# Altium PCB WAB_1x4_PCB.PcbDoc (part 5 of 5)
Units mil, origin at the board's own origin, x right, y up, seen from the top; angles counter-clockwise.
Board outline 13210.03 x 3810.03 mil, 12 copper layers (Top Layer, Ground Plane 1 (GND), Inner Layer 1, Ground Plane 2 (GND), Inner Layer 2, Power Plane (+3.3V), Power Plane (+12V), Inner Layer 3, Ground Plane 3 (GND), Inner Layer 4, Ground Plane 4 (GND), Bottom Layer), stack 82.8 mil thick; 113 components, 354 nets, 1682 pads, 1796 vias.
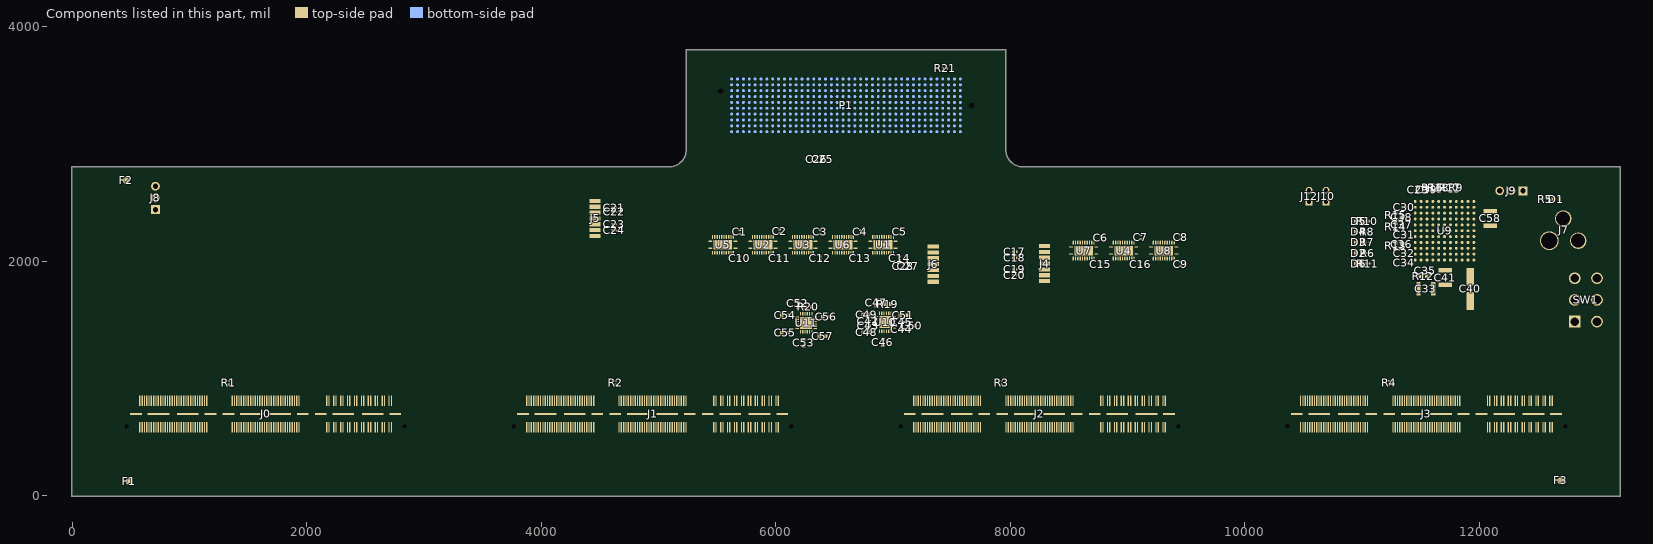
[diagram p15: the components of this part, seen from the top]

## Via types
v1: diameter 20, hole 10, Top Layer to Bottom Layer, tented both sides, 1766 vias
v2: diameter 250, hole 125, Top Layer to Bottom Layer, 20 vias
v3: diameter 57.09, hole 53.15, Top Layer to Bottom Layer, 6 vias
v4: diameter 20, hole 10, Top Layer to Bottom Layer, tented bottom, 2 vias
v5: diameter 140, hole 106.3, Top Layer to Bottom Layer, 2 vias

## Nets (pads, with @x,y where several pads share a name; then routed paths per layer and width w, separated by ;. In a path a pad name is that pad's centre, name@x,y a point inside that pad or via, vN(x,y) a via of type N, cw(c..) or ccw(c..) an arc to the next point about the centre after c; other vN are vias at no path point) (continued)
copper on no net:
  other v1: 7550.87,434 7590.87,434 10850.87,434 10890.87,434 5451.65,472.65 5491.65,472.65 8751.65,472.65 8791.65,472.65 12051.65,472.65 12091.65,472.65 7550.87,474 7590.87,474 10850.87,474 10890.87,474 5451.65,512.65 5491.65,512.65 8751.65,512.65 8791.65,512.65 12051.65,512.65 12091.65,512.65 5451.65,883.35 5491.65,883.35 8751.65,883.35 8791.65,883.35 12051.65,883.35 12091.65,883.35 5451.65,923.35 5491.65,923.35 8751.65,923.35 8791.65,923.35 12051.65,923.35 12091.65,923.35 8774.13,2090.83 9115.56,2090.83 9456.99,2090.83 5881.59,2398.35 6650,3579.53
  other v2: 250,135 3050,135 3550,135 6350,135 6850,135 9650,135 10150,135 12950,135 250,698 3050,698 3550,698 6350,698 6850,698 9650,698 10150,698 12950,698 250,2600 3550,2600 9650,2600 12950,2600
  other v3: 7305,1728.15 8255,1733.15 4420,2118.15 7344.37,2233.27 8294.37,2238.27 4459.37,2623.27
  other v5: 5359.57,3370.87 7839.89,3370.87

## Polygon pours and split planes (outlines as drawn)
GND on Top Layer "Top Solder-No Net" (solid, remove dead copper, pour order 64): 15,2785 15,15 13185,15 13185,2785 8100,2785 8040,2785 8000,2825 7940,2885 7940,2950 7940,3785 5260,3785 5260,2940 5260,2885 5200,2825 5160,2785 5100,2785
VADJ on Top Layer "Top Solder-No Net" (solid, pour order 50): 5638.57,2155 5718.57,2155 5718.57,2245 5683.57,2245 5640,2220 5638.57,2200
3P3V on Top Layer "Top Solder-No Net" (solid, pour order 61): 6790,1570 6790,1645 6890,1645 6890,1605 6905,1605 6910,1600 6915,1595 6915,1580 6875,1580 6870,1575 6870,1570
GND on Top Layer "Top Solder-No Net" (solid, pour order 38): 450,750 450,650 2850,650 2850,750
VADJ on Top Layer "Top Solder-No Net" (solid, pour order 34): 827.22,905 860,905 855,880 860,850 825,850 830,880 825.44,902.82
VCC_12P0_CARD on Top Layer "Top Solder-No Net" (solid, pour order 33): 12020,2395 12045,2370 12045,2365 12165,2365 12225,2305 12225,1865 12225,1785 12635,1375 12915,1375 12915,1585 12715,1585 12450,1850 12450,2550 12325,2550 12325,2650 12225,2650 12020,2650
VADJ on Top Layer "Top Solder-No Net" (solid, pour order 35): 4130,905 4160,905 4155,880 4160,850 4125,850 4130,880 4125.98,900.1
GND on Top Layer "Top Solder-No Net" (solid, pour order 39): 3750,750 3750,650 6150,650 6150,750
VADJ on Top Layer "Top Solder-No Net" (solid, pour order 36): 7430,905 7460,905 7455,880 7460,850 7425,850 7430,880 7425.98,900.1
GND on Top Layer "Top Solder-No Net" (solid, pour order 40): 7050,750 7050,650 9450,650 9450,750
VADJ on Top Layer "Top Solder-No Net" (solid, pour order 37): 10730,905 10760,905 10755,880 10760,850 10725,850 10730,880 10725.98,900.1
GND on Top Layer "Top Solder-No Net" (solid, pour order 41): 10350,750 10350,650 12750,650 12750,750
VCC_3P3_CARD on Top Layer "Top Solder-No Net" (solid, pour order 49): 6315,2030 6315,2120 6400,2120 6400,2030
VADJ on Top Layer "Top Solder-No Net" (solid, pour order 57): 6320,2160 6400,2160 6400,2250 6365,2250 6320,2225 6320,2205
VADJ on Top Layer "Top Solder-No Net" (solid, pour order 56): 6661.43,2160 6741.43,2160 6741.43,2250 6706.43,2250 6665,2225 6661.43,2205
VCC_3P3_CARD on Top Layer "Top Solder-No Net" (solid, pour order 48): 6656.43,2030 6656.43,2120 6741.43,2120 6741.43,2030
VADJ on Top Layer "Top Solder-No Net" (solid, pour order 55): 7002.86,2160 7082.86,2160 7082.86,2250 7047.86,2250 7027.86,2230 7002.86,2205 7002.86,2160
VCC_3P3_CARD on Top Layer "Top Solder-No Net" (solid, pour order 47): 6997.86,2030 6997.86,2120 7082.86,2120 7082.86,2030
VADJ on Top Layer "Top Solder-No Net" (solid, pour order 54): 8714.13,2110.83 8794.13,2110.83 8794.13,2200.83 8759.13,2200.83 8714.13,2175 8714.13,2155.83
VCC_3P3_CARD on Top Layer "Top Solder-No Net" (solid, pour order 46): 8709.13,1980.83 8709.13,2070.83 8794.13,2070.83 8794.13,1980.83
VADJ on Top Layer "Top Solder-No Net" (solid, pour order 53): 9055.56,2110.83 9135.56,2110.83 9135.56,2200.83 9100.56,2200.83 9055.56,2175 9055.56,2155.83
VCC_3P3_CARD on Top Layer "Top Solder-No Net" (solid, pour order 45): 9050.56,1980.83 9050.56,2070.83 9135.56,2070.83 9135.56,1980.83
VADJ on Top Layer "Top Solder-No Net" (solid, pour order 52): 9396.99,2110.83 9476.99,2110.83 9476.99,2200.83 9441.99,2200.83 9400,2175 9396.99,2155.83
VCC_3P3_CARD on Top Layer "Top Solder-No Net" (solid, pour order 44): 9391.99,1980.83 9391.99,2070.83 9476.99,2070.83 9476.99,1980.83
VADJ on Top Layer "Top Solder-No Net" (solid, pour order 51): 5978.57,2160 6058.57,2160 6058.57,2250 6023.57,2250 5980,2225 5978.57,2205
VCC_3P3_CARD on Top Layer "Top Solder-No Net" (solid, pour order 43): 5973.57,2030 5973.57,2120 6058.57,2120 6058.57,2030
VCC_3P3_CARD on Top Layer "Top Solder-No Net" (solid, pour order 42): 5632.14,2030 5632.14,2120 5717.14,2120 5717.14,2030
3P3V on Top Layer "Top Solder-No Net" (solid, pour order 60): 6080,1565 6080,1640 6215,1640 6215,1600 6230,1600 6235,1595 6240,1582.93 6238.99,1580.48 6233.51,1575 6200,1575 6195,1570 6195,1565
VCC_12P0_IN on Top Layer "Top Solder-No Net" (solid, pour order 59): 12465,2350 12465,1855 12485,1835 12720,1600 12900,1600 12900,1775 12800,1775 12730,1845 12725,1850 12725,2350
3P3V on Bottom Layer "Top Solder-No Net" (solid, pour order 62): 6210,1315 6092.49,1534.84 6080,1565 6080,1640 6230,1640 6270,1600 6270,1315
VCC_12P0_IN on Bottom Layer "Top Solder-No Net" (solid, pour order 58): 12465,2350 12465,1855 12485,1835 12755,1565 12900,1565 12900,1775 12800,1775 12730,1845 12725,1850 12725,2350
GND on Bottom Layer "Top Solder-No Net" (solid, remove dead copper, pour order 63): 15,2785 15,15 13185,15 13185,2785 8100,2785 8040,2785 8000,2825 7940,2885 7940,2950 7940,3785 5260,3785 5260,2940 5260,2885 5200,2825 5160,2785 5100,2785
GND on Ground Plane 1 (GND) (split plane): 7942.92,2950 7942.93,2949.87 7943.28,2939.2 7944.34,2928.45 7946.1,2917.8 7948.55,2907.28 7951.69,2896.94 7955.49,2886.83 7959.95,2876.99 7965.04,2867.46 7970.75,2858.29 7977.04,2849.51 7983.89,2841.16 7991.28,2833.28 7999.16,2825.89 8007.51,2819.04 8016.29,2812.75 8025.46,2807.04 8034.99,2801.95 8044.83,2797.49 8054.94,2793.69 8065.28,2790.55 8075.8,2788.1 8086.45,2786.34 8097.2,2785.28 8107.79,2784.93 8107.77,2783.77 8108,2783.67 8108,2784.92 8107.87,2784.93 8107.97,2784.93 8108,2784.93 8108,2784.92 8108.03,2784.92 8108.07,2784.92 13184.92,2784.92 13184.92,15.08 15.08,15.08 15.08,2784.92 5092,2784.92 5092.13,2784.93 5102.8,2785.28 5113.55,2786.34 5124.2,2788.1 5134.72,2790.55 5145.06,2793.69 5155.17,2797.49 5165.01,2801.95 5174.54,2807.04 5183.71,2812.75 5192.49,2819.04 5200.84,2825.89 5208.72,2833.28 5216.11,2841.16 5222.96,2849.51 5229.25,2858.29 5234.96,2867.46 5240.05,2876.99 5244.51,2886.83 5248.31,2896.94 5251.45,2907.28 5253.9,2917.8 5255.66,2928.45 5256.72,2939.2 5257.07,2949.79 5258.23,2949.77 5258.33,2950 5257.08,2950 5257.07,2949.87 5257.07,2949.97 5257.07,2950 5257.08,2950 5257.08,2950.03 5257.08,2950.07 5257.08,3784.92 7942.92,3784.92
GND on Ground Plane 2 (GND) (split plane): 7942.92,2950 7942.93,2949.87 7943.28,2939.2 7944.34,2928.45 7946.1,2917.8 7948.55,2907.28 7951.69,2896.94 7955.49,2886.83 7959.95,2876.99 7965.04,2867.46 7970.75,2858.29 7977.04,2849.51 7983.89,2841.16 7991.28,2833.28 7999.16,2825.89 8007.51,2819.04 8016.29,2812.75 8025.46,2807.04 8034.99,2801.95 8044.83,2797.49 8054.94,2793.69 8065.28,2790.55 8075.8,2788.1 8086.45,2786.34 8097.2,2785.28 8107.79,2784.93 8107.77,2783.77 8108,2783.67 8108,2784.92 8107.87,2784.93 8107.97,2784.93 8108,2784.93 8108,2784.92 8108.03,2784.92 8108.07,2784.92 13184.92,2784.92 13184.92,15.08 15.08,15.08 15.08,2784.92 5092,2784.92 5092.13,2784.93 5102.8,2785.28 5113.55,2786.34 5124.2,2788.1 5134.72,2790.55 5145.06,2793.69 5155.17,2797.49 5165.01,2801.95 5174.54,2807.04 5183.71,2812.75 5192.49,2819.04 5200.84,2825.89 5208.72,2833.28 5216.11,2841.16 5222.96,2849.51 5229.25,2858.29 5234.96,2867.46 5240.05,2876.99 5244.51,2886.83 5248.31,2896.94 5251.45,2907.28 5253.9,2917.8 5255.66,2928.45 5256.72,2939.2 5257.07,2949.79 5258.23,2949.77 5258.33,2950 5257.08,2950 5257.07,2949.87 5257.07,2949.97 5257.07,2950 5257.08,2950 5257.08,2950.03 5257.08,2950.07 5257.08,3784.92 7942.92,3784.92
VCC_3P3_Q1 on Power Plane (+3.3V) (split plane): 11414.91,2520 11415.26,2517.39 11416.26,2514.96 11417.87,2512.87 11462.87,2467.87 11464.96,2466.26 11467.39,2465.26 11470,2464.91 11479.91,2464.91 11479.91,2350.09 10985,2350.09 10982.39,2349.74 10980.67,2349.03 10979.96,2348.74 10977.87,2347.13 10892.87,2262.13 10891.26,2260.04 10890.26,2257.61 10889.91,2255 10889.91,1789.18 10625.82,1525.09 10165,1525.09 10162.39,1524.74 10159.96,1523.74 10157.87,1522.13 9975.82,1340.09 7300,1340.09 7297.39,1339.74 7296.17,1339.24 7294.96,1338.74 7292.87,1337.13 6965.82,1010.09 6315,1010.09 6312.39,1009.74 6309.96,1008.73 6307.87,1007.13 6045.82,745.09 3850.09,745.09 3850.09,1159.91 5675,1159.91 5677.61,1160.26 5680.04,1161.26 5682.13,1162.87 5759.18,1239.91 6910,1239.91 6912.61,1240.26 6915.04,1241.26 6917.13,1242.87 7007.13,1332.87 7008.74,1334.96 7009.74,1337.39 7010.09,1340 7010.09,1404.91 7147.98,1404.91 7150.59,1405.26 7153.02,1406.26 7155.11,1407.87 7317.15,1569.91 9840,1569.91 9842.61,1570.26 9845.04,1571.26 9847.13,1572.87 10004.18,1729.91 10550,1729.91 10552.61,1730.26 10555.04,1731.26 10557.13,1732.87 10687.13,1862.87 10688.74,1864.96 10689.03,1865.67 10689.74,1867.39 10690.09,1870 10690.09,2370.82 10934.18,2614.91 11414.91,2614.91
VCC_3P3_Q0 on Power Plane (+3.3V) (split plane): 11479.91,2160.09 11140,2160.09 11137.39,2159.74 11134.96,2158.74 11132.87,2157.13 11131.26,2155.04 11130.26,2152.61 11129.91,2150 11129.91,1734.18 10735.82,1340.09 10305,1340.09 10302.39,1339.74 10300.67,1339.03 10299.96,1338.74 10297.87,1337.13 10140.82,1180.09 7405,1180.09 7402.39,1179.74 7399.96,1178.74 7397.87,1177.13 7132.87,912.13 7131.27,910.04 7130.26,907.61 7129.91,905 7129.91,740 7130.26,737.39 7131.1,735.36 6482.87,87.13 6481.27,85.04 6480.26,82.61 6479.91,80 6479.91,15.08 15.08,15.08 15.08,1159.91 3405.82,1159.91 3837.87,727.87 3839.96,726.27 3842.39,725.26 3845,724.91 6050,724.91 6052.61,725.26 6055.04,726.27 6057.13,727.87 6319.18,989.91 6970,989.91 6972.61,990.26 6975.04,991.27 6977.13,992.87 7304.18,1319.91 9980,1319.91 9982.61,1320.26 9985.04,1321.26 9987.13,1322.87 10169.18,1504.91 10630,1504.91 10632.61,1505.26 10635.04,1506.26 10637.13,1507.87 10907.13,1777.87 10908.74,1779.96 10909.74,1782.39 10910.09,1785 10910.09,2250.82 10989.18,2329.91 11479.91,2329.91
GND on Power Plane (+3.3V) (split plane): 5244.91,2876.2 5244.91,2570 5244.91,1750 5245.26,1747.39 5246.27,1744.96 5247.87,1742.87 5740.74,1250 5670.82,1180.09 3840,1180.09 3837.39,1179.74 3834.96,1178.74 3832.87,1177.13 3831.27,1175.04 3830.26,1172.61 3829.91,1170 3829.91,764.35 3417.13,1177.13 3415.04,1178.74 3412.61,1179.74 3410,1180.09 15.08,1180.09 15.08,2784.92 5092,2784.92 5092.13,2784.93 5102.8,2785.28 5113.55,2786.34 5124.2,2788.1 5134.72,2790.55 5145.06,2793.69 5155.17,2797.49 5165.01,2801.95 5174.54,2807.04 5183.71,2812.75 5192.49,2819.04 5200.84,2825.89 5208.72,2833.28 5216.11,2841.16 5222.96,2849.51 5229.25,2858.29 5234.96,2867.46 5240.05,2876.99 5241.32,2879.79
3P3V on Power Plane (+3.3V) (split plane): 5889.91,3275.82 5889.91,3229.53 5889.91,3140 5889.91,3133.71 5841.29,3085.09 5455,3085.09 5452.39,3084.74 5449.96,3083.74 5447.87,3082.13 5446.27,3080.04 5445.26,3077.61 5444.91,3075 5444.91,2130 5444.91,1855 5445.26,1852.39 5446.27,1849.96 5447.87,1847.87 5937.87,1357.87 5939.96,1356.26 5942.39,1355.26 5945,1354.91 6145,1354.91 6147.61,1355.26 6150.04,1356.26 6152.13,1357.87 6209.18,1414.91 6290.82,1414.91 6347.87,1357.87 6349.96,1356.26 6352.39,1355.26 6355,1354.91 6825,1354.91 6827.61,1355.26 6830.04,1356.26 6832.13,1357.87 6877.13,1402.87 6878.74,1404.96 6879.74,1407.39 6880.09,1410 6880.09,1515 6879.74,1517.61 6878.74,1520.04 6877.13,1522.13 6842.13,1557.13 6840.04,1558.74 6837.61,1559.74 6835,1560.09 6804.18,1560.09 6795.09,1569.18 6795.09,1615.82 6809.18,1629.91 6885.82,1629.91 6989.91,1525.82 6989.91,1415 6989.91,1344.18 6905.82,1260.09 5759.18,1260.09 5265.09,1754.18 5265.09,2570 5265.09,2880.37 5264.74,2882.98 5264.45,2883.7 5263.74,2885.42 5262.13,2887.51 5249.33,2900.3 5251.45,2907.28 5253.9,2917.8 5255.66,2928.45 5256.72,2939.2 5257.07,2949.79 5258.23,2949.77 5258.33,2950 5257.08,2950 5257.07,2949.87 5257.07,2949.97 5257.07,2950 5257.08,2950 5257.08,2950.03 5257.08,2950.07 5257.08,3294.91 5870.82,3294.91
VCC_3P3_Q2 on Power Plane (+3.3V) (split plane): 11479.91,2045.09 11360,2045.09 11357.39,2044.74 11356.17,2044.24 11354.96,2043.74 11352.87,2042.13 11302.87,1992.13 11301.26,1990.04 11300.26,1987.61 11299.91,1985 11299.91,1634.18 10845.82,1180.09 10440,1180.09 10437.39,1179.74 10435.67,1179.03 10434.96,1178.74 10432.87,1177.13 9917.87,662.13 9916.26,660.04 9915.26,657.61 9914.91,655 9914.91,15.08 6500.09,15.08 6500.09,75.82 7152.13,727.87 7153.74,729.96 7154.74,732.39 7155.09,735 7154.74,737.61 7153.74,740.04 7152.13,742.13 7150.09,743.7 7150.09,900.82 7409.18,1159.91 10145,1159.91 10147.61,1160.26 10150.04,1161.26 10152.13,1162.87 10309.18,1319.91 10740,1319.91 10742.61,1320.26 10745.04,1321.26 10747.13,1322.87 11147.13,1722.87 11148.74,1724.96 11149.74,1727.39 11150.09,1730 11150.09,2139.91 11479.91,2139.91
GND on Power Plane (+3.3V) (split plane): 13184.92,15.08 9935.09,15.08 9935.09,650.82 10207.5,923.24 10402.87,727.87 10404.96,726.27 10407.39,725.26 10410,724.91 12650,724.91 12652.61,725.26 12655.04,726.27 12657.13,727.87 12658.74,729.96 12659.74,732.39 12660.09,735 12660.09,1170 12660.09,1384.91 13184.92,1384.91
VCC_3P3_CARD on Power Plane (+3.3V) (split plane): 12139.91,2270.82 12139.91,1374.18 11945.82,1180.09 10874.35,1180.09 11317.13,1622.87 11318.74,1624.96 11319.74,1627.39 11320.09,1630 11320.09,1980.82 11364.18,2024.91 11490,2024.91 11492.61,2025.26 11495.04,2026.26 11497.13,2027.87 11498.74,2029.96 11499.74,2032.39 11500.09,2035 11500.09,2150 11500.09,2335 11500.09,2464.91 11945.82,2464.91
VCC_3P3_Q3 on Power Plane (+3.3V) (split plane): 12639.91,2315.82 12639.91,1170 12639.91,965 12639.91,745.09 10414.18,745.09 10221.76,937.5 10444.18,1159.91 11950,1159.91 11952.61,1160.26 11955.04,1161.26 11957.13,1162.87 12157.13,1362.87 12158.74,1364.96 12159.74,1367.39 12160.09,1370 12160.09,2275 12159.74,2277.61 12158.74,2280.04 12157.13,2282.13 11957.13,2482.13 11955.04,2483.74 11952.61,2484.74 11950,2485.09 11474.18,2485.09 11435.09,2524.18 11435.09,2614.91 12340.82,2614.91
VCC_3P3_CARD on Power Plane (+3.3V) (split plane): 7942.92,2950 7942.93,2949.87 7943.28,2939.2 7944.34,2928.45 7946.1,2917.8 7948.55,2907.28 7951.69,2896.94 7955.49,2886.83 7959.95,2876.99 7965.04,2867.46 7970.75,2858.29 7977.04,2849.51 7983.89,2841.16 7991.28,2833.28 7999.16,2825.89 8007.51,2819.04 8016.29,2812.75 8025.46,2807.04 8034.99,2801.95 8044.83,2797.49 8054.94,2793.69 8065.28,2790.55 8075.8,2788.1 8086.45,2786.34 8097.2,2785.28 8107.79,2784.93 8107.77,2783.77 8108,2783.67 8108,2784.92 8107.87,2784.93 8107.97,2784.93 8108,2784.93 8108,2784.92 8108.03,2784.92 8108.07,2784.92 13184.92,2784.92 13184.92,1405.09 12660.09,1405.09 12660.09,2320 12659.74,2322.61 12659.45,2323.32 12658.74,2325.04 12657.13,2327.13 12352.13,2632.13 12350.04,2633.74 12347.61,2634.74 12345,2635.09 10930,2635.09 10927.39,2634.74 10925.67,2634.03 10924.96,2633.74 10922.87,2632.13 10672.87,2382.13 10671.26,2380.04 10670.26,2377.61 10669.91,2375 10669.91,1874.18 10545.82,1750.09 10000,1750.09 9997.39,1749.74 9995.67,1749.03 9994.96,1748.74 9992.87,1747.13 9835.82,1590.09 7312.98,1590.09 7310.36,1589.74 7307.93,1588.74 7305.84,1587.13 7143.8,1425.09 7010.09,1425.09 7010.09,1530 7009.74,1532.61 7008.74,1535.04 7007.13,1537.13 6897.13,1647.13 6895.04,1648.74 6892.61,1649.74 6890,1650.09 6805,1650.09 6802.39,1649.74 6799.96,1648.74 6797.87,1647.13 6777.87,1627.13 6776.27,1625.04 6775.26,1622.61 6774.91,1620 6774.91,1565 6775.26,1562.39 6776.27,1559.96 6777.87,1557.87 6792.87,1542.87 6794.96,1541.26 6797.39,1540.26 6800,1539.91 6830.82,1539.91 6859.91,1510.82 6859.91,1414.18 6820.82,1375.09 6359.18,1375.09 6302.13,1432.13 6300.04,1433.74 6297.61,1434.74 6295,1435.09 6205,1435.09 6202.39,1434.74 6199.96,1433.74 6197.87,1432.13 6140.82,1375.09 5949.18,1375.09 5465.09,1859.18 5465.09,2130 5465.09,3064.91 5845.47,3064.91 5848.08,3065.26 5850.51,3066.26 5852.6,3067.87 5907.13,3122.4 5908.74,3124.49 5909.45,3126.21 5909.74,3126.92 5910.09,3129.53 5910.09,3140 5910.09,3229.53 5910.09,3280 5909.74,3282.61 5909.33,3283.62 5908.74,3285.04 5907.13,3287.13 5882.13,3312.13 5880.04,3313.73 5877.61,3314.74 5875,3315.09 5257.08,3315.09 5257.08,3784.92 7942.92,3784.92
VCC_12P0_CARD on Power Plane (+12V) (split plane): 5227.35,2383.67 5227.35,2317.57 5227.69,2314.96 5228.7,2312.52 5230.3,2310.44 6004.91,1535.82 6004.91,1390 6005.26,1387.39 6006.27,1384.96 6007.87,1382.87 6057.87,1332.87 6059.96,1331.26 6061.17,1330.76 6062.39,1330.26 6065,1329.91 6475,1329.91 6477.61,1330.26 6480.04,1331.26 6482.13,1332.87 6502.13,1352.87 6503.74,1354.96 6504.74,1357.39 6505.09,1360 6505.09,1510.82 6874.18,1879.91 10365.82,1879.91 10407.87,1837.87 10409.96,1836.26 10412.39,1835.26 10415,1834.91 11450,1834.91 11452.61,1835.26 11455.04,1836.26 11457.13,1837.87 11547.13,1927.87 11548.74,1929.96 11549.74,1932.39 11550.09,1935 11550.09,2065 11549.74,2067.61 11548.74,2070.04 11547.13,2072.13 11490.09,2129.18 11490.09,2784.92 13184.92,2784.92 13184.92,15.08 15.08,15.08 15.08,2784.92 5092,2784.92 5092.13,2784.93 5102.8,2785.28 5113.55,2786.34 5124.2,2788.1 5134.72,2790.55 5145.06,2793.69 5155.17,2797.49 5165.01,2801.95 5174.54,2807.04 5183.71,2812.75 5192.49,2819.04 5200.84,2825.89 5208.72,2833.28 5216.11,2841.16 5222.96,2849.51 5227.35,2855.63
VADJ on Power Plane (+12V) (split plane): 6019.91,3495 6020.26,3492.39 6021.27,3489.96 6022.87,3487.87 7110.74,2400 7112.82,2398.4 7114.25,2397.81 7115.26,2397.39 7117.87,2397.05 9528.69,2397.05 9609.91,2315.82 9609.91,1959.18 9550.82,1900.09 6870,1900.09 6867.39,1899.74 6866.17,1899.24 6864.96,1898.74 6862.87,1897.13 6487.87,1522.13 6486.27,1520.04 6485.26,1517.61 6484.91,1515 6484.91,1364.18 6470.82,1350.09 6069.18,1350.09 6025.09,1394.18 6025.09,1540 6024.74,1542.61 6024.24,1543.83 6023.74,1545.04 6022.13,1547.13 5247.52,2321.75 5247.52,2383.67 5247.52,2894.83 5248.31,2896.94 5251.45,2907.28 5253.9,2917.8 5255.66,2928.45 5256.72,2939.2 5257.07,2949.79 5258.23,2949.77 5258.33,2950 5257.08,2950 5257.07,2949.87 5257.07,2949.97 5257.07,2950 5257.08,2950 5257.08,2950.03 5257.08,2950.07 5257.08,3784.92 6019.91,3784.92
VCC_3P3_CARD on Power Plane (+12V) (split plane): 11529.91,2060.82 11529.91,1939.18 11445.82,1855.09 10419.18,1855.09 10320.09,1954.18 10320.09,2020.82 10414.18,2114.91 11475.82,2114.91
GND on Power Plane (+12V) (split plane): 7942.92,2950 7942.93,2949.87 7943.28,2939.2 7944.34,2928.45 7946.1,2917.8 7948.55,2907.28 7951.69,2896.94 7955.49,2886.83 7959.95,2876.99 7965.04,2867.46 7970.75,2858.29 7977.04,2849.51 7983.89,2841.16 7991.28,2833.28 7999.16,2825.89 8007.51,2819.04 8016.29,2812.75 8025.46,2807.04 8034.99,2801.95 8044.83,2797.49 8054.94,2793.69 8065.28,2790.55 8075.8,2788.1 8086.45,2786.34 8097.2,2785.28 8107.79,2784.93 8107.77,2783.77 8108,2783.67 8108,2784.92 8107.87,2784.93 8107.97,2784.93 8108,2784.93 8108,2784.92 8108.03,2784.92 8108.07,2784.92 11469.91,2784.92 11469.91,2135.09 10410,2135.09 10407.39,2134.74 10405.67,2134.03 10404.96,2133.74 10402.87,2132.13 10302.87,2032.13 10301.26,2030.04 10300.26,2027.61 10299.91,2025 10299.91,1950 10300.26,1947.39 10301.26,1944.96 10302.87,1942.87 10345.65,1900.09 9579.35,1900.09 9627.13,1947.87 9628.74,1949.96 9629.24,1951.17 9629.74,1952.39 9630.09,1955 9630.09,2320 9629.74,2322.61 9628.74,2325.04 9627.13,2327.13 9540,2414.26 9537.91,2415.87 9535.48,2416.87 9532.87,2417.22 7122.05,2417.22 6040.09,3499.18 6040.09,3784.92 7942.92,3784.92
GND on Ground Plane 3 (GND) (split plane): 7942.92,2950 7942.93,2949.87 7943.28,2939.2 7944.34,2928.45 7946.1,2917.8 7948.55,2907.28 7951.69,2896.94 7955.49,2886.83 7959.95,2876.99 7965.04,2867.46 7970.75,2858.29 7977.04,2849.51 7983.89,2841.16 7991.28,2833.28 7999.16,2825.89 8007.51,2819.04 8016.29,2812.75 8025.46,2807.04 8034.99,2801.95 8044.83,2797.49 8054.94,2793.69 8065.28,2790.55 8075.8,2788.1 8086.45,2786.34 8097.2,2785.28 8107.79,2784.93 8107.77,2783.77 8108,2783.67 8108,2784.92 8107.87,2784.93 8107.97,2784.93 8108,2784.93 8108,2784.92 8108.03,2784.92 8108.07,2784.92 13184.92,2784.92 13184.92,15.08 15.08,15.08 15.08,2784.92 5092,2784.92 5092.13,2784.93 5102.8,2785.28 5113.55,2786.34 5124.2,2788.1 5134.72,2790.55 5145.06,2793.69 5155.17,2797.49 5165.01,2801.95 5174.54,2807.04 5183.71,2812.75 5192.49,2819.04 5200.84,2825.89 5208.72,2833.28 5216.11,2841.16 5222.96,2849.51 5229.25,2858.29 5234.96,2867.46 5240.05,2876.99 5244.51,2886.83 5248.31,2896.94 5251.45,2907.28 5253.9,2917.8 5255.66,2928.45 5256.72,2939.2 5257.07,2949.79 5258.23,2949.77 5258.33,2950 5257.08,2950 5257.07,2949.87 5257.07,2949.97 5257.07,2950 5257.08,2950 5257.08,2950.03 5257.08,2950.07 5257.08,3784.92 7942.92,3784.92
GND on Ground Plane 4 (GND) (split plane): 7942.92,2950 7942.93,2949.87 7943.28,2939.2 7944.34,2928.45 7946.1,2917.8 7948.55,2907.28 7951.69,2896.94 7955.49,2886.83 7959.95,2876.99 7965.04,2867.46 7970.75,2858.29 7977.04,2849.51 7983.89,2841.16 7991.28,2833.28 7999.16,2825.89 8007.51,2819.04 8016.29,2812.75 8025.46,2807.04 8034.99,2801.95 8044.83,2797.49 8054.94,2793.69 8065.28,2790.55 8075.8,2788.1 8086.45,2786.34 8097.2,2785.28 8107.79,2784.93 8107.77,2783.77 8108,2783.67 8108,2784.92 8107.87,2784.93 8107.97,2784.93 8108,2784.93 8108,2784.92 8108.03,2784.92 8108.07,2784.92 13184.92,2784.92 13184.92,15.08 15.08,15.08 15.08,2784.92 5092,2784.92 5092.13,2784.93 5102.8,2785.28 5113.55,2786.34 5124.2,2788.1 5134.72,2790.55 5145.06,2793.69 5155.17,2797.49 5165.01,2801.95 5174.54,2807.04 5183.71,2812.75 5192.49,2819.04 5200.84,2825.89 5208.72,2833.28 5216.11,2841.16 5222.96,2849.51 5229.25,2858.29 5234.96,2867.46 5240.05,2876.99 5244.51,2886.83 5248.31,2896.94 5251.45,2907.28 5253.9,2917.8 5255.66,2928.45 5256.72,2939.2 5257.07,2949.79 5258.23,2949.77 5258.33,2950 5257.08,2950 5257.07,2949.87 5257.07,2949.97 5257.07,2950 5257.08,2950 5257.08,2950.03 5257.08,2950.07 5257.08,3784.92 7942.92,3784.92

## Other copper
Top Layer:
  rectangle net 3P3V: 6890,1320 6940,1380
  rectangle net GND: 6280,1355 6320,1375
  rectangle net 3P3V: 6210,1315 6270,1375
  rectangle net 3P3V: 6831.31,1593.66 6902.93,1645
  rectangle net 3P3V: 6161.31,1587.25 6231.66,1640
  rectangle net VADJ: 9490,2290 9590,2365
  rectangle net VCC_3P3_Q2: 11360,2040 11475,2130
  region net VCC_3P3_Q3: 11435,2610 11435,2490 11525,2490 11525,2610
  rectangle net VCC_3P3_CARD: 11360,1940 11525,2030
  region net VCC_12P0_CARD: 12070,2595 11835,2595 11835,2390 12070,2390
  rectangle net VCC_3P3_Q1: 11360,2390 11475,2480
  rectangle net VCC_3P3_Q0: 11360,2190 11475,2280
  region net NetC40_1: 11875,1880 11875,2130 11635,2130 11635,1880
  rectangle net VCC_12P0_CARD: 11585,1695 11625,2080
  rectangle net NetC40_1: 11745,1880 11875,1975
  rectangle net GND: 11485,2040 11575,2480
  rectangle net GND: 11685,2400 11775,2480
  rectangle net GND: 11560,2090 11625,2170
  rectangle net GND: 11530,2140 11975,2380
  rectangle net GND: 11555,2340 11825,2430
  rectangle net GND: 11885,1990 11975,2165
  rectangle net NetC40_1: 11785,1780 11975,1980
Bottom Layer:
  rectangle net VADJ: 5325,2895 5575,3025
  rectangle net VADJ: 5325,1175 5375,3025
  rectangle net VADJ: 10700,910 10785,1225
  rectangle net VADJ: 7400,910 7485,1225
  rectangle net VADJ: 4100,910 4185,1225
  rectangle net VADJ: 800,910 885,1225
  rectangle net VADJ: 800,1175 10785,1225
  pour cut-out: 5500,3590 5530,3620 7670,3620 7700,3590 7700,3070 7670,3040 5530,3040 5500,3070
  text "WAB 1x4 Rev A" at 2125,2600 h80
  text "(C) REG 2014" at 2125,2475 h80
Ground Plane 1 (GND) (plane layer: these items are gaps in the copper):
  rectangle: 5500,2925 5530,2985
Ground Plane 2 (GND) (plane layer: these items are gaps in the copper):
  rectangle: 5500,2925 5530,2985
Power Plane (+12V) (plane layer: these items are gaps in the copper):
  rectangle: 6075,1425 6115,1505
  rectangle: 6695,1430 6735,1510
  rectangle: 6404.84,1405.16 6444.84,1485.16
  lines w20: 5237.43,2950 5237.43,2383.67 5237.43,2317.57 6015,1540 6015,1390 6065,1340 6475,1340 6495,1360 6495,1515 6870,1890 6880,1890 9555,1890 ; 6030,3805.02 6030,3495 7117.87,2407.13 7126.22,2407.13 9532.87,2407.13 9620,2320 9620,1955 9555,1890 ; 10370,1890 9555,1890 ; 11480,2805.01 11480,2125 ; 11480,2125 11540,2065 11540,1935 11450,1845 10415,1845 10310,1950 10310,2025 10410,2125 11480,2125
Ground Plane 4 (GND) (plane layer: these items are gaps in the copper):
  rectangle: 5500,2925 5530,2985
Power Plane (+3.3V) (plane layer: these items are gaps in the copper):
  rectangle: 5500,2925 5530,2985
  rectangle: 6695,1430 6735,1510
  rectangle: 6404.84,1405.16 6444.84,1485.16
  rectangle: 6075,1425 6115,1505
  lines w20: -5.01,1170 540,1170 2750,1170 3410,1170 3845,735 6050,735 6315,1000 6970,1000 7300,1330 7340,1330 9735,1330 9980,1330 10165,1515 10630,1515 10900,1785 10900,2255 10985,2340 11485,2340 11490,2335 ; 540,740 545,735 ; 3840,740 3840,1170 5675,1170 5755,1250 ; 5230.31,2905.06 5255,2880.37 5255,2570 5255,1750 5755,1250 ; 5235,3305 5635,3305 ; 5625,3305 5875,3305 5900,3280 5900,3229.53 5900,3140 5900,3129.53 5845.47,3075 5455,3075 5455,2130 5455,1855 5945,1365 6145,1365 6205,1425 6295,1425 6355,1365 6825,1365 6870,1410 6870,1515 6835,1550 6800,1550 6785,1565 6785,1620 6805,1640 6890,1640 7000,1530 7000,1415 ; 6490,-5 6490,80 7145,735 ; 7140,740 7140,905 7405,1170 9350,1170 10145,1170 10305,1330 10740,1330 11140,1730 11140,2150 11490,2150 ; 9925,-5.01 9925,655 10440,1170 11950,1170 12150,1370 12150,2275 11950,2475 11470,2475 11425,2520 11425,2625 ; 10210,935 10410,735 10445,735 12650,735 ; 10850,1170 11310,1630 11310,1985 11360,2035 11490,2035 11490,2150 ; 11490,2475 11490,2335 ; 12650,965 12650,735 ; 12650,1395 13200.22,1395 ; 5755,1250 6305,1250 6910,1250 7000,1340 7000,1415 ; 7000,1415 7147.98,1415 7312.98,1580 9735,1580 9840,1580 10000,1740 10550,1740 10680,1870 10680,2375 10930,2625 11425,2625 ; 11425,2625 12345,2625 12650,2320 12650,1170 12650,735 ; 11490,2150 11490,2335
Ground Plane 3 (GND) (plane layer: these items are gaps in the copper):
  rectangle: 5500,2925 5530,2985

## Silkscreen, mask and mechanical layers (free items; w line width, h text height)
Top Overlay:
  lines w20: 100,-5 100,925 3200,925 3200,-5 ; 3400,-5 3400,925 6500,925 6500,-5 ; 6700,-5 6700,925 9800,925 9800,-5 ; 10000,-5 10000,925 13100,925 13100,-5
  text "PWR" at 12555,2620 h50
  text "FAN" at 12210,2390 h50
  text "Q0 3P3V" at 10535,2315 h50
  text "FAN" at 645,2310 h50
  text "Q1 3P3V" at 10543.33,2225 h50
  text "Q2 3P3V" at 10535,2135 h50
  text "+12V" at 12450,2110 h50 r90
  text "Q3 3P3V" at 10535,2045 h50
  text "AUX 3P3V" at 10485.02,1955 h50
  text "MGT B" at 4235,1905 h80
  text "MGT C" at 7590,1800 h80 r90
  text "ON" at 12425,1730 h80
  text "OFF" at 12425,1540 h80
  text "MGT A" at 8065,1515 h80
  text "RXCLK" at 6115,1180 h50
  text "PLLCLK" at 6805,1175 h50
  text "Slot Q0" at 1020,155 h200
  text "Slot Q1" at 4350,155 h200
  text "Slot Q2" at 7655,155 h200
  text "Slot Q3" at 10980,155 h200
Mechanical 1:
  circle w4: c3550,2600 r62.65
  circle w4: c5359.57,3370.87 r62.65
  circle w4: c7839.89,3370.87 r62.65
  circle w4: c9650,2600 r62.65
  circle w4: c12950,2600 r62.65
  circle w4: c12950,135 r62.65
  circle w4: c12950,698 r62.65
  circle w4: c10150,135 r62.65
  circle w4: c10150,698 r62.65
  circle w4: c9650,135 r62.65
  circle w4: c9650,698 r62.65
  circle w4: c6850,135 r62.65
  circle w4: c6850,698 r62.65
  circle w4: c6350,135 r62.65
  circle w4: c6350,698 r62.65
  circle w4: c3550,135 r62.65
  circle w4: c3550,698 r62.65
  circle w4: c3050,698 r62.65
  circle w4: c3050,135 r62.65
  circle w4: c250,135 r62.65
  circle w4: c250,698 r62.65
  circle w4: c250,2600 r62.65
  lines w10: 0,0 13200,0 13200,2800 8108,2800 cw(c8108,2950) 7958,2950 7958,3800 5242,3800 5242,2950 cw(c5092,2950) 5092,2800 0,2800 0,0
Mechanical 13:
  drawing of 872 lines, arcs and shapes, not listed
  text "Layer" at 112.66,9202.25 h60
  text "Name" at 522.57,9202.25 h60
  text "Material" at 1802.2,9202.25 h60
  text "Thickness" at 2781.93,9202.25 h60
  text "Constant" at 3431.76,9202.25 h60
  text "Board Layer Stack" at 4001.62,9202.25 h60
  text "1" at 112.66,9082.25 h60
  text "Top Overlay" at 522.57,9082.25 h60
  text "1. Contact: Ryan E. Guerra, Cell +1 (315) 857-7693 all-hours." at 5455,8985 h100
  text "2" at 112.66,8962.25 h60
  text "Top Solder" at 522.57,8962.25 h60
  text "PSR-4000BN" at 1802.2,8962.25 h60
  text "0.40mil" at 2781.93,8962.25 h60
  text "4.5" at 3431.76,8962.25 h60
  text "3" at 112.66,8842.25 h60
  text "Top Layer" at 522.57,8842.25 h60
  text "Copper" at 1802.2,8842.25 h60
  text "1.35mil" at 2781.93,8842.25 h60
  text "2. Controlled Dielectric, 12-layer stackup on Mech Layer 13." at 5455,8728.57 h100
  text "4" at 112.66,8722.25 h60
  text "Dielectric1" at 522.57,8722.25 h60
  text "FR406 2113" at 1802.2,8722.25 h60
  text "3.90mil" at 2781.93,8722.25 h60
  text "4.2" at 3431.76,8722.25 h60
  text "5" at 112.66,8602.25 h60
  text "Ground Plane 1 (GND)" at 522.57,8602.25 h60
  text "Copper" at 1802.2,8602.25 h60
  text "1.35mil" at 2781.93,8602.25 h60
  text "6" at 112.66,8482.25 h60
  text "Dielectric2" at 522.57,8482.25 h60
  text "FR406 Core" at 1802.2,8482.25 h60
  text "5.00mil" at 2781.93,8482.25 h60
  text "4.2" at 3431.76,8482.25 h60
  text "3. Lead-free Solder ONLY." at 5455,8438.82 h100
  text "7" at 112.66,8362.25 h60
  text "Inner Layer 1" at 522.57,8362.25 h60
  text "Copper" at 1802.2,8362.25 h60
  text "1.35mil" at 2781.93,8362.25 h60
  text "8" at 112.66,8242.25 h60
  text "Dielectric3" at 522.57,8242.25 h60
  text "FR406 2113+2116" at 1802.2,8242.25 h60
  text "7.70mil" at 2781.93,8242.25 h60
  text "4.2" at 3431.76,8242.25 h60
  text "4. OK to panel for fab. OK to de-panel AFTER assembly." at 5455,8215.71 h100
  text "9" at 112.66,8122.25 h60
  text "Ground Plane 2 (GND)" at 522.57,8122.25 h60
  text "Copper" at 1802.2,8122.25 h60
  text "1.35mil" at 2781.93,8122.25 h60
  text "10" at 112.66,8002.25 h60
  text "Dielectric4" at 522.57,8002.25 h60
  text "FR406 Core" at 1802.2,8002.25 h60
  text "5.00mil" at 2781.93,8002.25 h60
  text "4.2" at 3431.76,8002.25 h60
  text "5. Hold for Assembly." at 5455,7959.29 h100
  text "11" at 112.66,7882.25 h60
  text "Inner Layer 2" at 522.57,7882.25 h60
  text "Copper" at 1802.2,7882.25 h60
  text "1.35mil" at 2781.93,7882.25 h60
  text "12" at 112.66,7762.25 h60
  text "Dielectric5" at 522.57,7762.25 h60
  text "FR406 2113+2116" at 1802.2,7762.25 h60
  text "7.70mil" at 2781.93,7762.25 h60
  text "4.2" at 3431.76,7762.25 h60
  text "6. Green Soldermask." at 5455,7669.53 h100
  text "13" at 112.66,7642.25 h60
  text "Power Plane (+3.3V)" at 522.57,7642.25 h60
  text "Copper" at 1802.2,7642.25 h60
  text "1.35mil" at 2781.93,7642.25 h60
  text "14" at 112.66,7522.25 h60
  text "Dielectric6" at 522.57,7522.25 h60
  text "FR406 Core" at 1802.2,7522.25 h60
  text "8.00mil" at 2781.93,7522.25 h60
  text "4.2" at 3431.76,7522.25 h60
  text "7. Automated Optical Inspection for Assembly." at 5455,7446.43 h100
  text "15" at 112.66,7402.25 h60
  text "Power Plane (+12V)" at 522.57,7402.25 h60
  text "Copper" at 1802.2,7402.25 h60
  text "1.35mil" at 2781.93,7402.25 h60
  text "16" at 112.66,7282.25 h60
  text "Dielectric7" at 522.57,7282.25 h60
  text "FR406 2113+2116" at 1802.2,7282.25 h60
  text "7.70mil" at 2781.93,7282.25 h60
  text "4.2" at 3431.76,7282.25 h60
  text "8. X-ray inspection required for mezzanine connectors: J0, J1, J2, J3, P1, and U9." at 5465,7190 h100
  text "17" at 112.66,7162.25 h60
  text "Inner Layer 3" at 522.57,7162.25 h60
  text "Copper" at 1802.2,7162.25 h60
  text "1.35mil" at 2781.93,7162.25 h60
  text "18" at 112.66,7042.25 h60
  text "Dielectric8" at 522.57,7042.25 h60
  text "FR406 Core" at 1802.2,7042.25 h60
  text "5.00mil" at 2781.93,7042.25 h60
  text "4.2" at 3431.76,7042.25 h60
  text "19" at 112.66,6922.25 h60
  text "Ground Plane 3 (GND)" at 522.57,6922.25 h60
  text "Copper" at 1802.2,6922.25 h60
  text "1.35mil" at 2781.93,6922.25 h60
  text "20" at 112.66,6802.25 h60
  text "Dielectric9" at 522.57,6802.25 h60
  text "FR406 2113+2116" at 1802.2,6802.25 h60
  text "7.70mil" at 2781.93,6802.25 h60
  text "4.2" at 3431.76,6802.25 h60
  text "21" at 112.66,6682.25 h60
  text "Inner Layer 4" at 522.57,6682.25 h60
  text "Copper" at 1802.2,6682.25 h60
  text "1.35mil" at 2781.93,6682.25 h60
  text "22" at 112.66,6562.25 h60
  text "Dielectric10" at 522.57,6562.25 h60
  text "FR406 Core" at 1802.2,6562.25 h60
  text "5.00mil" at 2781.93,6562.25 h60
  text "4.2" at 3431.76,6562.25 h60
  text "23" at 112.66,6442.25 h60
  text "Ground Plane 4 (GND)" at 522.57,6442.25 h60
  text "Copper" at 1802.2,6442.25 h60
  text "1.35mil" at 2781.93,6442.25 h60
  text "24" at 112.66,6322.25 h60
  text "Dielectric11" at 522.57,6322.25 h60
  text "FR406 2113" at 1802.2,6322.25 h60
  text "3.90mil" at 2781.93,6322.25 h60
  text "4.2" at 3431.76,6322.25 h60
  text "25" at 112.66,6202.25 h60
  text "Bottom Layer" at 522.57,6202.25 h60
  text "Copper" at 1802.2,6202.25 h60
  text "1.35mil" at 2781.93,6202.25 h60
  text "26" at 112.66,6082.25 h60
  text "Bottom Solder" at 522.57,6082.25 h60
  text "PSR-4000BN" at 1802.2,6082.25 h60
  text "0.40mil" at 2781.93,6082.25 h60
  text "4.5" at 3431.76,6082.25 h60
  text "27" at 112.66,5962.25 h60
  text "Bottom Overlay" at 522.57,5962.25 h60
Drill Drawing:
  lines w10: 9337.29,4902.5 9370.62,4919.17 9403.96,4902.5 9387.29,4935.83 9403.96,4969.17 9370.62,4952.5 9337.29,4969.17 9353.96,4935.83 9337.29,4902.5 ; 9337.29,5052.5 9337.29,5069.17 9353.96,5085.83 9337.29,5102.5 9337.29,5119.17 9353.96,5119.17 9370.62,5102.5 9387.29,5119.17 9403.96,5119.17 9403.96,5102.5 9387.29,5085.83 9403.96,5069.17 9403.96,5052.5 9387.29,5052.5 9370.62,5069.17 9353.96,5052.5 9337.29,5052.5 ; 9337.29,5519.17 9353.96,5519.17 9353.96,5502.5 9387.29,5502.5 9387.29,5519.17 9403.96,5519.17 9403.96,5552.5 9387.29,5552.5 9387.29,5569.17 9353.96,5569.17 9353.96,5552.5 9337.29,5552.5 9337.29,5519.17 ; 9337.29,5969.17 9353.96,5969.17 9370.62,5952.5 9387.29,5969.17 9403.96,5969.17 9387.29,5985.83 9403.96,6002.5 9387.29,6002.5 9370.62,6019.17 9353.96,6002.5 9337.29,6002.5 9353.96,5985.83 9337.29,5969.17 ; 9350.62,4915.83 9370.62,4925.83 9390.62,4915.83 9380.62,4935.83 9390.62,4955.83 9370.62,4945.83 9350.62,4955.83 9360.62,4935.83 9350.62,4915.83 ; 9350.62,5065.83 9350.62,5075.83 9360.62,5085.83 9350.62,5095.83 9350.62,5105.83 9360.62,5105.83 9370.62,5095.83 9380.62,5105.83 9390.62,5105.83 9390.62,5095.83 9380.62,5085.83 9390.62,5075.83 9390.62,5065.83 9380.62,5065.83 9370.62,5075.83 9360.62,5065.83 9350.62,5065.83 ; 9350.62,5525.83 9360.62,5525.83 9360.62,5515.83 9380.62,5515.83 9380.62,5525.83 9390.62,5525.83 9390.62,5545.83 9380.62,5545.83 9380.62,5555.83 9360.62,5555.83 9360.62,5545.83 9350.62,5545.83 9350.62,5525.83 ; 9350.62,5975.83 9360.62,5975.83 9370.62,5965.83 9380.62,5975.83 9390.62,5975.83 9380.62,5985.83 9390.62,5995.83 9380.62,5995.83 9370.62,6005.83 9360.62,5995.83 9350.62,5995.83 9360.62,5985.83 9350.62,5975.83
  lines w15: 9277.5,4557.5 13156.47,4557.5 ; 9277.5,6207.5 13156.47,6207.5 ; 9828.38,4407.5 9828.38,6357.5 ; 10526.19,4407.5 10526.19,6357.5 ; 11871.79,4407.5 11871.79,6357.5 ; 12377.67,4407.5 12377.67,6357.5 ; 9277.5,4407.5 13156.47,4407.5 13156.47,6357.5 9277.5,6357.5 9277.5,4407.5
  text "Symbol" at 9367.5,6252.5 h72
  text "Hit Count" at 9873.38,6252.5 h72
  text "Finished Hole Size" at 10571.19,6252.5 h72
  text "Plated" at 11916.79,6252.5 h72
  text "Hole Type" at 12422.67,6252.5 h72
  text "1" at 9873.38,6102.5 h60
  text "140.00mil (3.556mm)" at 10571.19,6102.5 h60
  text "PTH" at 11916.79,6102.5 h60
  text "Round" at 12422.67,6102.5 h60
  text "B" at 9338.41,6092.51 h66.67
  text "2" at 9873.38,5952.5 h60
  text "50.00mil (1.270mm)" at 10571.19,5952.5 h60
  text "NPTH" at 11916.79,5952.5 h60
  text "Round" at 12422.67,5952.5 h60
  text "2" at 9873.38,5802.5 h60
  text "106.30mil (2.700mm)" at 10571.19,5802.5 h60
  text "PTH" at 11916.79,5802.5 h60
  text "Round" at 12422.67,5802.5 h60
  text "F" at 9338.41,5792.51 h66.67
  text "2" at 9873.38,5652.5 h60
  text "120.00mil (3.048mm)" at 10571.19,5652.5 h60
  text "PTH" at 11916.79,5652.5 h60
  text "Round" at 12422.67,5652.5 h60
  text "C" at 9338.41,5642.51 h66.67
  text "4" at 9873.38,5502.5 h60
  text "35.43mil (0.900mm)" at 10571.19,5502.5 h60
  text "PTH" at 11916.79,5502.5 h60
  text "Round" at 12422.67,5502.5 h60
  text "6" at 9873.38,5352.5 h60
  text "45.00mil (1.143mm)" at 10571.19,5352.5 h60
  text "PTH" at 11916.79,5352.5 h60
  text "Round" at 12422.67,5352.5 h60
  text "A" at 9338.41,5342.51 h66.67
  text "6" at 9873.38,5202.5 h60
  text "53.15mil (1.350mm)" at 10571.19,5202.5 h60
  text "PTH" at 11916.79,5202.5 h60
  text "Round" at 12422.67,5202.5 h60
  text "E" at 9338.41,5192.51 h66.67
  text "6" at 9873.38,5052.5 h60
  text "73.00mil (1.854mm)" at 10571.19,5052.5 h60
  text "PTH" at 11916.79,5052.5 h60
  text "Round" at 12422.67,5052.5 h60
  text "8" at 9873.38,4902.5 h60
  text "40.00mil (1.016mm)" at 10571.19,4902.5 h60
  text "NPTH" at 11916.79,4902.5 h60
  text "Round" at 12422.67,4902.5 h60
  text "20" at 9873.38,4752.5 h60
  text "125.00mil (3.175mm)" at 10571.19,4752.5 h60
  text "PTH" at 11916.79,4752.5 h60
  text "Round" at 12422.67,4752.5 h60
  text "G" at 9338.41,4742.51 h66.67
  text "1768" at 9873.38,4602.5 h60
  text "10.00mil (0.254mm)" at 10571.19,4602.5 h60
  text "PTH" at 11916.79,4602.5 h60
  text "Round" at 12422.67,4602.5 h60
  text "D" at 9338.41,4592.51 h66.67
  text "1825 Total" at 9873.38,4452.5 h60

## Dimensions
9650,55 to 10150,55 on Mechanical 1
250,2662.65 to 0,2800 on Mechanical 1
13200,0 to 7958,3800 on Mechanical 1
7958,3800 to 5242,3800 on Mechanical 1
0,0 to 0,2800 on Mechanical 1
13200,0 to 0,0 on Mechanical 1
7839.89,3370.87 to 5359.57,3370.87 on Mechanical 1
9650,2600 to 12950,2600 on Mechanical 1
7839.89,3370.87 to 12950,2600 on Mechanical 1
12950,2600 to 12950,135 on Mechanical 1
12950,135 to 12950,698 on Mechanical 1
10150,135 to 12950,135 on Mechanical 1

## Text inside footprints (layer, text, board x,y; h text height)
C40: Top Overlay "-" at 12015,1635 h60 r180; Top Overlay "+" at 12020,1965 h60 r180